# KiCad board main_PCB_v1.kicad_pcb (continued)
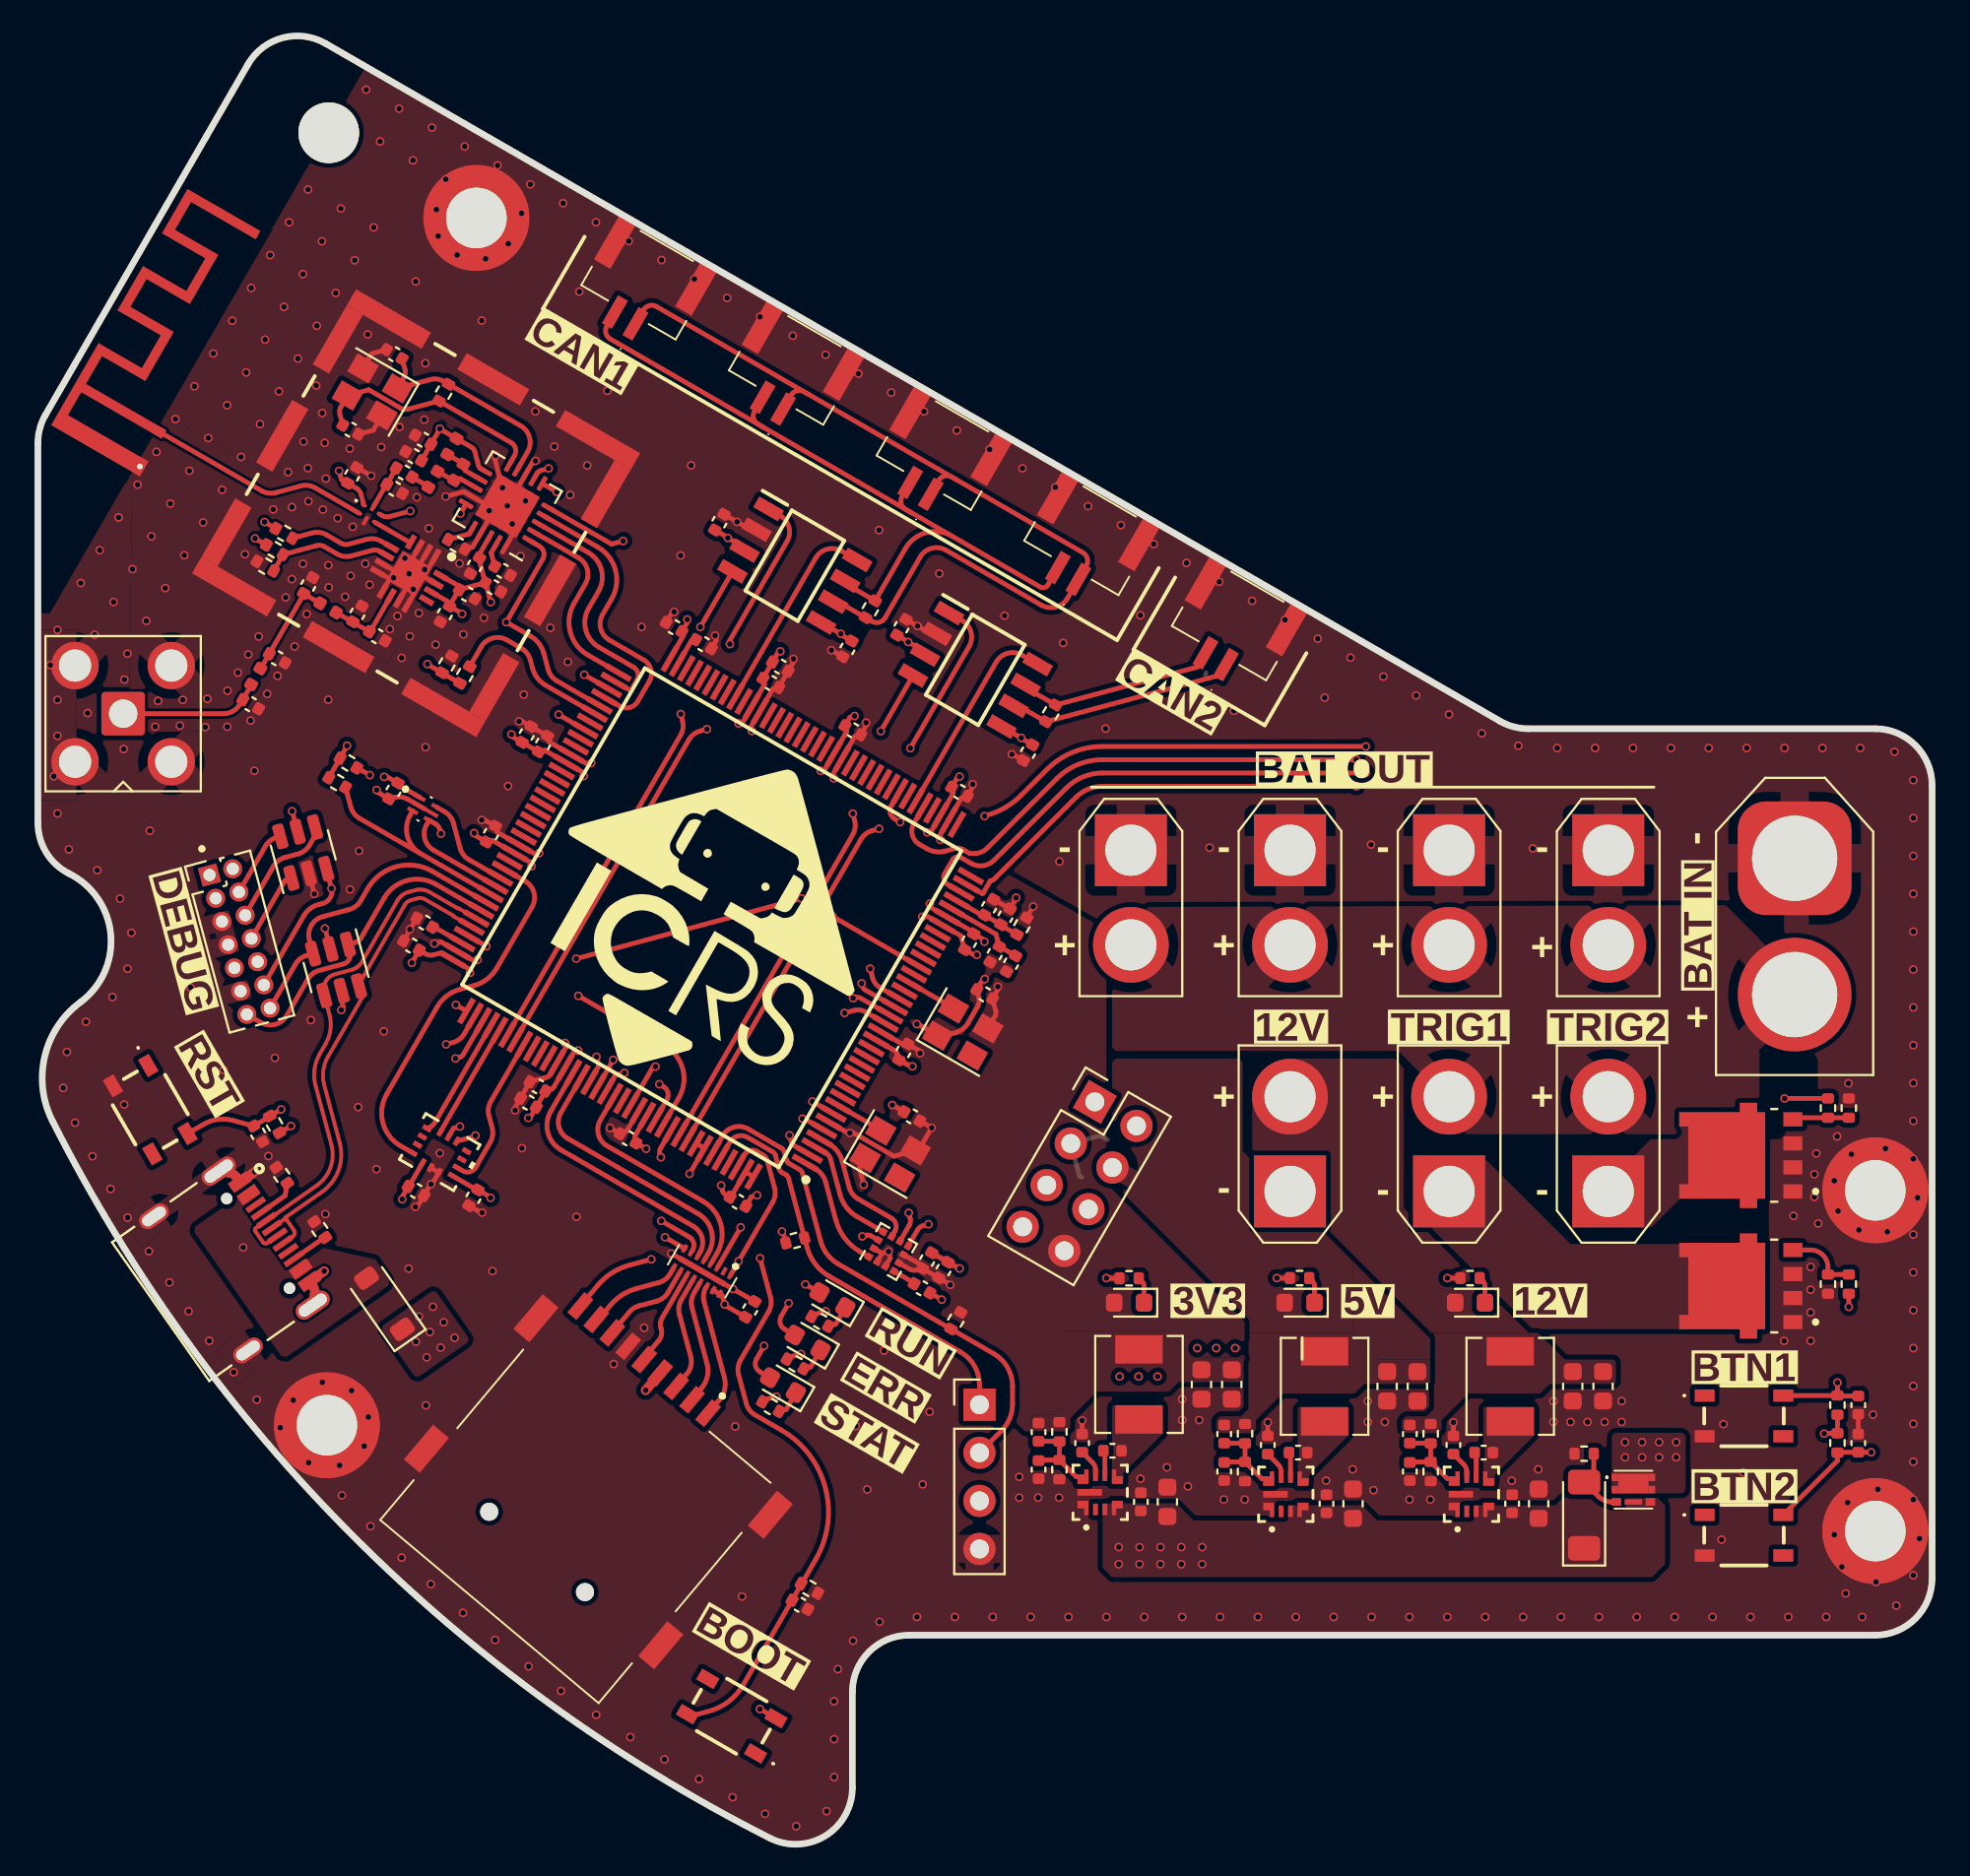
[diagram p0: board, top side]
## Routing (per net, layer and track width the routed paths; a pad name or vN(x,y) marks a point on that pad's centre or on a via; arc(x,y) is an arc through that point) (continued)
/Microcontroller/CMD: length 6.2
  Top w0.252: FL201.12 33.97,28.75 arc(33.84,28.38) 33.87,27.99 34.47,25.75 arc(34.48,25.28) 34.27,24.85 33.71,24.19 J201.3
/Microcontroller/DAT0: length 5.1
  Top w0.252: J201.7 30.32,27.04 31.22,28.11 arc(31.45,28.31) 31.73,28.44 32.67,28.69 arc(33.02,28.86) 33.27,29.15 FL201.10
/Microcontroller/DAT1: length 5.1
  Top w0.252: FL201.9 33.38,30.13 arc(33.12,29.84) 32.77,29.67 31.61,29.36 arc(30.85,29.02) 30.22,28.47 29.6,27.73 J201.8
/Microcontroller/DAT2: length 7.2
  Top w0.252: FL201.14 35.27,29.41 arc(35.14,29.04) 35.17,28.65 36.25,24.64 arc(36.26,24.03) 35.99,23.49 35.39,22.77 J201.1
/Microcontroller/DAT3: length 6.7
  Top w0.252: FL201.13 34.63,29.1 arc(34.51,28.73) 34.53,28.34 35.33,25.38 arc(35.34,24.71) 35.04,24.1 34.54,23.5 J201.2 34.54,23.49
/Microcontroller/EEPROM_WC: length 5.3
  Top w0.25: U211.5 21.47,54.54 arc(21.77,54.28) 21.94,53.93 22.29,52.62 arc(22.46,52.27) 22.76,52.01 U201.98
/Microcontroller/GPIO1: length 16.4
  Top w0.25: U201.21 44.45,45.25 arc(44.21,45.47) 44.07,45.76 v1(43.94,46.25)
  In2.Cu w0.25: v1(43.94,46.25) 43.94,46.25 arc(44.33,46.28) 44.7,46.15 55.63,39.84 J204.1
/Microcontroller/GPIO2: length 19.6
  Top w0.25: v1(43.49,45.47) 43.53,45.31 arc(43.58,45.21) 43.67,45.13 U201.20
  In2.Cu w0.25: J204.2 56.7,37.6 arc(56.32,37.57) 55.95,37.7 54.42,38.58 arc(54.13,38.84) 53.95,39.19 53.77,39.89 arc(53.59,40.24) 53.3,40.5 44.66,45.48 arc(44.29,45.61) 43.9,45.58 v1(43.49,45.47)
/Microcontroller/GPIO3: length 17.6
  Top w0.25: v1(42.59,43.91) 43.1,44.05 arc(43.4,44.07) 43.68,43.97 U201.18
  In2.Cu w0.25: 53.13,35.28 J204.5 53.22,34.97 44.19,40.18 arc(43.6,40.7) 43.26,41.4 v1(42.59,43.91)
/Microcontroller/GPIO4: length 19.8
  Top w0.25: U201.19 43.42,44.7 arc(43.3,44.74) 43.19,44.73 v1(43.04,44.69)
  In2.Cu w0.25: J204.6 55.22,34.44 arc(54.87,35.14) 54.29,35.65 44.56,41.27 arc(43.97,41.78) 43.63,42.48 v1(43.04,44.69)
/Microcontroller/I2C1_SCL: length 27.4
  Top w0.25: J207.2 50.87,21.84 arc(51.3,22.49) 51.45,23.25 51.45,24.18 arc(51.19,25.18) 50.45,25.91 42.25,30.65 arc(41.67,31.16) 41.32,31.86 40.36,35.45 arc(40.31,35.56) 40.22,35.63 39.66,35.96 arc(39.57,36.04) 39.52,36.14 39.4,36.58 arc(39.35,36.69) 39.26,36.77 37.5,37.78 arc(36.74,37.88) 36.14,37.41 U201.139
/Microcontroller/I2C1_SDA: length 22.2
  Top w0.25: U201.140 36.53,37.09 arc(36.94,37.41) 37.46,37.34 38.8,36.57 arc(38.89,36.49) 38.94,36.39 39.13,35.67 arc(39.18,35.57) 39.27,35.49 39.49,35.36 arc(39.57,35.29) 39.63,35.18 40.61,31.52 arc(41.04,30.65) 41.77,30 48.71,26 arc(49.44,25.27) 49.71,24.27 J207.1
/Microcontroller/I2C3_SCL: length 12.5
  Top w0.25: U211.3 19.66,54.37 arc(19.51,53.24) 20.21,52.32 ; R214.2 16.52,54.79 arc(16.69,54.44) 16.98,54.19 20.21,52.32 ; U201.100 20.21,52.32
/Microcontroller/I2C3_SDA: length 13
  Top w0.25: U201.99 20.89,52.51 arc(20.43,53.12) 20.53,53.87 U211.4 20.99,53.89 arc(21.14,53.77) 21.22,53.59 v1(21.28,53.38) ; v1(17.52,56.47) 16.85,56.86 R215.2
  In2.Cu w0.25: 17.52,56.48 17.32,56.11 arc(17.25,55.65) 17.54,55.28 20.87,53.36 arc(20.98,53.32) 21.09,53.33 21.28,53.38
/Microcontroller/IMU_INT1: length 19.6
  Top w0.25: U201.97 25.72,50.87 arc(26.19,50.27) 26.09,49.51 24.23,46.28 arc(23.71,45.7) 23.01,45.35 22.29,45.16 arc(21.59,44.81) 21.08,44.23 18.42,39.62 arc(18.22,38.1) 19.15,36.89 U204.4
/Microcontroller/IMU_INT2: length 8.4
  Top w0.25: U201.116 23.91,39.23 arc(23.78,38.87) 23.81,38.48 23.98,37.84 arc(24.01,37.45) 23.88,37.08 23.11,35.75 arc(22.81,35.52) 22.43,35.57 U204.9
/Microcontroller/LEDB: length 19.2
  Top w0.25: v1(32.89,36.29) 32.83,36.51 arc(32.82,36.62) 32.86,36.74 U201.134 ; D204.2 38.12,24.95 arc(37.89,25.25) 37.94,25.63 v1(38.34,26.33)
  In2.Cu w0.25: 38.34,26.33 37.81,28.29 arc(37.77,28.91) 37.97,29.49 38.74,30.82 arc(38.8,31.01) 38.79,31.2 38.31,32.99 arc(38.3,33.18) 38.36,33.37 38.76,34.05 arc(38.81,34.43) 38.58,34.74 35.3,36.63 arc(34.93,36.76) 34.54,36.73 32.89,36.29
/Microcontroller/LEDB_K: length 1.4
  Top w0.25: D204.1 39.5,22.96 R213.2
/Microcontroller/LEDG: length 19.1
  Top w0.25: v1(32.81,40.14) 33.02,40.02 arc(33.26,39.72) 33.21,39.34 U201.132 ; v1(40.51,29.57) D203.2
  In2.Cu w0.25: v1(40.51,29.57) 42.01,32.17 arc(42.08,32.36) 42.06,32.55 41.66,34.06 arc(41.57,34.23) 41.43,34.36 34.11,38.59 arc(33.96,38.71) 33.88,38.89 33.73,39.45 arc(33.64,39.62) 33.49,39.75 v1(32.81,40.15)
/Microcontroller/LEDG_K: length 1.4
  Top w0.25: D203.1 42.12,27.47 R212.2
/Microcontroller/LEDR: length 22.9
  Top w0.25: U201.129 32.46,41.04 v1(32.61,41.08) ; D202.2 39.42,27.2 arc(39.19,27.51) 39.24,27.89 v1(39.64,28.58)
  In2.Cu w0.25: v1(39.64,28.58) 39.57,28.84 arc(39.56,29.04) 39.62,29.22 41.24,32.04 arc(41.31,32.22) 41.29,32.42 40.93,33.79 arc(40.84,33.96) 40.69,34.09 32.47,38.84 arc(32,39.45) 32.1,40.21 v1(32.61,41.08)
/Microcontroller/LEDR_K: length 1.4
  Top w0.25: D202.1 40.8,25.21 R211.2
/Microcontroller/MAG_C1: length 1.3
  Top w0.25: C231.1 46.25,29.66 U206.4
/Microcontroller/MAG_DRDY: length 11.2
  Top w0.25: U206.8 46,32.69 arc(46.06,32.88) 46.05,33.07 v1(45.97,33.35) ; v1(39.68,37.45) 39.81,36.97 U201.2
  In2.Cu w0.25: 39.68,37.45 42.22,35.98 arc(42.62,35.63) 42.86,35.16 42.96,34.77 arc(43.04,34.6) 43.19,34.47 45.21,33.3 arc(45.4,33.24) 45.59,33.25 45.97,33.35
/Microcontroller/MAG_INT: length 12.4
  Top w0.25: v1(47.01,32.75) 46.73,32.68 arc(46.56,32.59) 46.43,32.44 U206.7 ; v1(40.88,39.23) U201.7
  In2.Cu w0.25: 47.01,32.75 46.82,33.46 arc(46.54,34.04) 46.06,34.46 42.18,36.7 arc(41.58,37.22) 41.23,37.93 40.88,39.24
/Microcontroller/NRF24_CE: length 33
  Top w0.25: R404.1 v1(11.46,68.98) ; U201.77 27.4,61.45 arc(27.11,61.71) 26.93,62.06 26.71,62.9 arc(26.45,63.43) 26.01,63.81 v1(24.73,64.55) 26.65,67.89 arc(26.7,68.27) 26.47,68.57 U401.1
  In2.Cu w0.25: v1(11.46,68.98) 12.34,65.7 arc(12.87,64.63) 13.77,63.84 19.95,60.27 arc(21.46,60.07) 22.68,61 24.73,64.55
/Microcontroller/NRF24_IRQ: length 15.1
  Top w0.25: v1(27.39,71.43) U401.6 ; v1(27.49,59.67) 27.49,59.67 U201.80
  In2.Cu w0.25: v1(27.39,71.43) 28.31,67.99 26.23,64.39 v1(27.49,59.67)
/Microcontroller/NRF24_MODE: length 9.1
  Top w0.25: R406.1 23.4,63.24 arc(24,63.71) 24.76,63.61 25.53,63.17 arc(25.82,62.91) 25.99,62.56 26.11,62.13 arc(26.37,61.6) 26.81,61.22 U201.78
/Microcontroller/NRST: length 56.4
  Top w0.25: 7.79,37.73 S203.2 ; S203.2 8.76,38.04 arc(9.5,38.29) 10.28,38.24 C203.1 12.23,38.43 R205.1 v1(12.84,38.82) ; S203.2 7.95,37.71 ; U202.3 v1(15.5,50.49) arc(15.43,50) 15.04,49.7 14.81,49.63 arc(14.36,49.41) 14.04,49.04 J205.12 ; v1(40.31,49.96) v1(28.42,46.78) ; v1(41.95,49.01) 41.95,49.01 U201.25
  In2.Cu w0.25: J205.12 12.46,45.39 arc(13.17,45.1) 13.46,44.39 13.46,39.85 arc(13.38,39.47) 13.17,39.14 v1(12.84,38.82) ; v1(15.5,50.49) 15.7,49.73 arc(16.59,47.94) 18.09,46.62 19.65,45.72 arc(21.23,45.18) 22.88,45.29 v1(28.42,46.78) ; v1(41.95,49.01) v1(40.31,49.96)
/Microcontroller/OSC: length 2.7
  Top w0.25: U201.23 48.33,44.17 X201.4
/Microcontroller/OSC_32: length 2.6
  Top w0.25: U201.8 44.49,37.73 X202.4
/Microcontroller/SDMMC2_CD: length 18.5
  Top w0.25: v1(32.38,30.9) 31.22,30.59 arc(30.31,30.18) 29.56,29.52 J201.9 ; U201.142 37.3,36.42 arc(37.59,36.64) 37.95,36.6 38.3,36.4 arc(38.42,36.29) 38.5,36.14 38.89,34.67 arc(38.92,34.28) 38.79,33.91 FL201.1
  In2.Cu w0.25: v1(36.99,30.79) 34.76,30.2 arc(33.99,30.15) 33.25,30.4 v1(32.38,30.9)
/Microcontroller/SDMMC2_CLK: length 14.6
  Top w0.252: FL201.6 34.96,31.28 arc(35.06,32.04) 34.6,32.64 27.62,36.67 arc(26.93,37.58) 27.08,38.72 U201.122
/Microcontroller/SDMMC2_CMD: length 14.5
  Top w0.252: U201.123 27.61,38.64 arc(27.51,37.88) 27.97,37.28 34.86,33.3 arc(35.56,32.39) 35.41,31.25 FL201.5
/Microcontroller/SDMMC2_D0: length 16.1
  Top w0.252: FL201.7 34.57,31.39 arc(34.62,31.77) 34.38,32.07 v1(32.91,32.92) ; v1(29.49,41.6) 29.62,41.12 U201.124
  In2.Cu w0.252: 29.49,41.6 27.89,38.84 arc(27.63,36.86) 28.85,35.27 32.91,32.93
/Microcontroller/SDMMC2_D1: length 15.5
  Top w0.252: v1(33.11,32.06) FL201.8 ; v1(30.37,41.43) U201.125
  In2.Cu w0.252: 30.38,41.43 28.64,38.43 arc(28.47,37.12) 29.27,36.07 33.01,33.91 arc(33.48,33.3) 33.38,32.54 33.11,32.06
/Microcontroller/SDMMC2_D2: length 16.9
  Top w0.252: U201.126 30.48,40.62 v1(30.96,40.75) ; FL201.3 v1(37.1,32.58)
  In2.Cu w0.252: 30.96,40.75 29.46,38.15 arc(29.36,37.39) 29.83,36.79 37.1,32.59
/Microcontroller/SDMMC2_D3: length 12.7
  Top w0.252: FL201.4 35.86,31.22 arc(36.06,32.74) 35.12,33.96 30.06,36.88 arc(29.59,37.49) 29.69,38.25 U201.127
/Microcontroller/SPI2.CS: length 10.5
  Top w0.25: U401.2 28.54,67.95 arc(29.01,67.35) 28.91,66.59 28.31,65.55 arc(28.11,64.03) 29.04,62.82 U201.73
/Microcontroller/SPI2.MISO: length 13.8
  Top w0.25: U401.5 29.18,69.31 30.29,68.68 v1(30.9,68.84) ; v1(28.84,61.78) U201.75
  In2.Cu w0.25: 28.84,61.78 28.42,63.37 arc(28.36,64.15) 28.61,64.88 30.9,68.84
/Microcontroller/SPI2.MOSI: length 15.6
  Top w0.25: U401.4 29.56,68.52 arc(30.49,67.31) 30.29,65.79 29.82,64.96 arc(29.72,64.21) 30.18,63.6 32.01,62.54 arc(32.21,62.36) 32.34,62.12 32.37,62 arc(32.39,61.72) 32.3,61.46 31.66,60.37 arc(31.24,60.04) 30.72,60.11 U201.76
/Microcontroller/SPI2.SCK: length 13.3
  Top w0.25: U201.74 31.26,60.96 31.32,60.98 31.62,61.5 arc(31.67,61.88) 31.44,62.18 29.62,63.23 arc(28.92,64.14) 29.07,65.28 29.6,66.19 arc(29.75,67.33) 29.05,68.24 U401.3
/Microcontroller/SPI3_CS: length 9.2
  Top w0.25: v1(21.55,42.25) 21.9,42.35 arc(22.25,42.52) 22.51,42.81 U201.110 ; U204.12 23.08,37.39 v1(23.1,37.43)
  In2.Cu w0.25: 23.1,37.44 23.36,37.89 arc(23.61,38.63) 23.56,39.4 23.07,41.23 arc(22.92,41.53) 22.67,41.75 21.72,42.3 21.55,42.26
/Microcontroller/SPI3_MISO: length 6.5
  Top w0.25: U201.112 20.97,38.14 arc(20.79,37.94) U204.1
/Microcontroller/SPI3_MOSI: length 6.2
  Top w0.25: 21.28,37.68 U201.113
/Microcontroller/SPI3_SCK: length 7.2
  Top w0.25: U204.13 21.94,37.82 v1(22.28,37.91) ; U201.111 22.45,41.71 arc(22.37,41.62) 22.27,41.57 v1(22.05,41.51)
  In2.Cu w0.25: 22.28,37.91 22.57,38.42 arc(22.7,38.79) 22.67,39.18 22.05,41.51
/Microcontroller/SPI4_CS: length 6.2
  Top w0.25: U201.3 41.61,36.51 arc(41.76,36.38) 41.84,36.2 42.34,34.33 arc(42.68,33.65) 43.25,33.15 44.65,32.34
/Microcontroller/SPI4_MISO: length 7.2
  Top w0.25: U206.9 45.24,32.39 arc(45.29,32.77) 45.06,33.07 43.3,34.09 arc(43,34.34) 42.83,34.69 42.45,36.1 arc(42.2,36.61) 41.78,36.99 U201.4
/Microcontroller/SPI4_MOSI: length 12.2
  Top w0.25: U201.5 40.43,38.34 v1(40.37,38.33) ; v1(43.52,32.11) 43.75,32.17 arc(43.86,32.18) 43.97,32.14 44.39,31.9
  In2.Cu w0.25: v1(43.52,32.11) 42.9,32.47 arc(42.75,32.6) 42.66,32.78 42.14,34.71 arc(42.06,34.88) 41.91,35.01 38.97,36.71 arc(38.74,37.01) 38.79,37.39 39.34,38.34 arc(39.64,38.58) 40.02,38.53 v1(40.37,38.33)
/Microcontroller/SPI4_SCK: length 6.3
  Top w0.25: U201.1 41.06,35.67 arc(41.39,35.38) 41.58,34.98 42.12,32.98 arc(42.6,32.01) 43.42,31.29 43.89,31.02
/Microcontroller/SWCLK: length 19.5
  Top w0.25: v1(22.06,44.34) U201.109 ; U202.4 14.71,53.42 14.34,52.78 arc(14.08,52.48) 13.73,52.31 13.04,52.13 arc(12.69,51.95) 12.44,51.66 J205.6
  In2.Cu w0.25: 22.06,44.37 22.07,44.34 21.42,44.17 arc(21.03,44.14) 20.67,44.27 12.62,48.91 arc(11.88,49.17) 11.1,49.11 10.94,49.07
/Microcontroller/SWDIO: length 19.3
  Top w0.25: U202.6 12.62,53.19 arc(12.27,53.02) 12.01,52.72 J205.4 ; v1(23.68,47.43) U201.105
  In2.Cu w0.25: 23.68,47.44 17.23,51.16 arc(16.12,51.54) 14.95,51.46 10.61,50.3
/Microcontroller/SWO: length 32.8
  Top w0.25: 13.42,51.02 U202.1 13.19,50.99 arc(13.08,50.93) 13,50.85 J205.8 ; U201.133 33.84,39.44 arc(34.04,40.96) 33.11,42.17 v1(28.53,44.82)
  In2.Cu w0.25: 11.27,47.85 12.24,48.1 arc(12.63,48.13) 13,48 20.32,43.78 arc(21.06,43.52) 21.84,43.58 27.15,45 arc(27.86,45.04) v1(28.53,44.82)
/Microcontroller/TRIG1: length 77.7
  Top w0.25: R312.2 v1(95.6,28.39) ; U201.41 46.25,53.92 arc(46.16,53.31) 46.54,52.81 46.94,52.58 arc(47.4,52.43) 47.89,52.46 48.44,52.6 arc(48.63,52.62) 48.82,52.55 49.21,52.33 49.41,52.33 arc(49.8,52.41) 50.12,52.62 53.79,56.29 arc(54.89,57.03) 56.19,57.29 v1(69.6,57.29)
  In2.Cu w0.25: 95.6,28.39 94.26,29.73 arc(93.85,30.35) 93.7,31.07 93.7,33.79 93.58,33.91 93.58,36.27 93.7,36.39 93.7,39.11 arc(93.2,40.31) 92,40.81 90.41,40.81 arc(88.5,41.6) 87.71,43.51 87.71,52.61 arc(86.71,55.01) 84.31,56.01 76.33,56.01 arc(75.57,56.16) 74.93,56.58 arc(74.15,57.1) 73.23,57.29 69.6,57.29
/Microcontroller/TRIG2: length 61.1
  Top w0.25: v1(92.21,39.4) R313.2 ; U201.35 49.85,50.22 49.9,50.23 50.28,50.89 50.43,50.93 54.8,55.3 arc(55.45,55.73) 56.21,55.89 v1(69.6,55.89)
  In2.Cu w0.25: 92.21,39.4 92.2,39.41 90.41,39.41 arc(87.51,40.61) 86.31,43.51 86.31,52.81 arc(85.72,54.22) 84.31,54.81 75.92,54.81 arc(74.89,55.01) 74.02,55.59 arc(73.7,55.81) 73.31,55.89 69.6,55.89
/Microcontroller/USART1_RX: length 17.1
  Top w0.25: U201.102 21.01,50.71 arc(19.49,50.91) 18.28,49.98 17.06,47.87 arc(16.93,47.72) 16.76,47.64 U203.1 16.48,47.11 arc(16.43,46.73) 16.12,46.5 14.85,46.16 arc(14.5,45.98) 14.25,45.69 13.14,43.77 arc(12.53,43.31) 11.77,43.41 11.03,43.83
/Microcontroller/USART1_TX: length 16.3
  Top w0.25: U201.101 20.83,51.39 arc(18.93,51.64) 17.41,50.48 17.04,49.84 arc(16.78,49.55) 16.43,49.37 15.04,49 arc(14.43,48.53) 14.33,47.77 U203.3 14.21,46.95 arc(13.86,46.78) 13.6,46.49 J205.14
/Microcontroller/USB_DN: length 28
  Top w0.2: J203.A7 12.05,31.73 11.92,31.76 11.46,32.41 11.48,32.52 14.71,34.79 arc(15.44,35.74) 15.5,36.94 14.66,40.07 arc(14.6,40.93) 14.88,41.74 15.19,42.29 arc(15.45,43.03) 15.39,43.81 15.01,45.25 15.22,45.61 arc(15.4,45.82) 15.65,45.94 16.62,46.2 16.79,46.29 16.95,46.41 17.08,46.56 17.13,46.64 18.98,49.84 19.03,49.92 19.16,50.07 19.31,50.19 19.49,50.28 19.58,50.3 19.92,50.39 20.01,50.42 20.21,50.43 20.4,50.4 20.59,50.34 20.68,50.29 22.16,49.44 22.19,49.45 U201.103
/Microcontroller/USB_DP: length 26
  Top w0.2: U201.104 21.94,49.01 21.93,49.05 20.43,49.91 arc(20.25,49.98) 20.05,49.96 19.68,49.86 arc(19.5,49.78) 19.38,49.63 16.93,45.4 17.12,44.72 15.32,41.61 arc(15.07,40.87) 15.12,40.09 15.94,37.04 arc(15.87,35.6) 14.99,34.46 13.07,33.11 13.06,33.08 ; J203.A6 13.06,33.04 13.06,33.08 ; 13.06,33.08 13.52,32.43 arc(13.56,32.26) 13.46,32.1 J203.B6
/Microcontroller/VCAP1: length 1.6
  Top w0.25: C237.1 34.49,63.57 U201.71
/Microcontroller/VCAP2: length 1.8
  Top w0.25: C238.1 20.9,48.46 U201.106
/Microcontroller/VREF+: length 4.4
  Top w0.25: U201.32 50.58,48.07 C235.1 C236.1
/Power/BOOT_3V3: length 1.3
  Top w0.25: C318.2 56.33,20.71 U302.6
/Power/BOOT_5V: length 1.3
  Top w0.25: C312.2 66.13,20.61 U301.6
/Power/BOOT_12V: length 1.3
  Top w0.25: U303.6 75.93,20.61 C304.2
/Power/FV_3V3: length 4.9
  Top w0.25: U302.8 54.81,19.41 R311.1 ; R311.1 R310.2 53.92,21.29 C308.2 ; R311.1 52.86,20.3
/Power/FV_5V: length 5
  Top w0.25: R309.1 62.66,20.2 C324.1 ; R309.1 64.61,19.31 U301.8 ; R309.1 R308.2 63.72,21.19 C309.2
/Power/FV_12V: length 5
  Top w0.25: C310.1 72.46,20.2 R302.1 ; U303.8 74.41,19.31 R302.1 ; R302.1 R301.2 73.52,21.19 C307.2
/Power/LED3V3: length 1.4
  Top w0.25: D304.1 58.4,29.49 arc(58.37,29.61) 58.31,29.7 R305.2
/Power/LED5V: length 1.4
  Top w0.25: D302.1 67.4,29.5 arc(67.37,29.62) 67.31,29.71 R304.2
/Power/LED12V: length 1.4
  Top w0.25: R303.2 76.31,29.71 arc(76.37,29.62) 76.4,29.5 D301.1
/Power/RP_PMOS_G: length 3.8
  Top w0.25: Q302.3 83.09,18.08 arc(82.71,18.16) 82.39,18.37 D303.2 82.14,19.64 R307.1
/Power/TRIG1_G: length 3.9
  Top w0.25: R312.1 R315.1 94.5,30.47 arc(94.23,31.12) 93.58,31.39 T302.4
/Power/TRIG2_G: length 3
  Top w0.25: T301.4 92.73,38.38 R313.1 R314.1
/Wireless/ANT1: length 2.3
  Top w0.252: U401.12 22.55,72.56 L403.2 22.46,72.93 L404.1
/Wireless/ANT2: length 2.3
  Top w0.252: L401.2 21.94,72.03 L403.1 22.3,72.13 U401.13
/Wireless/ANT2_50: length 1
  Top w0.252: L401.1 20.6,71.73 C402.2
/Wireless/ANT_F1: length 4.3
  Top w0.252: L402.2 16.6,64.57 C414.2 16.64,64.55 C413.2 17.54,64.06 U402.10
/Wireless/ANT_F2: length 5.6
  Top w0.252: L402.1 14.04,66.05 C415.2 14.04,66.04 C416.2 11.77,62.11 L405.2
/Wireless/ANT_PCB: length 11.8
  Top w0.252: S401.2 14.64,71.65 arc(14.27,71.77) 13.88,71.75 12.56,71.4 arc(12.17,71.37) 11.8,71.5 AE401.1
/Wireless/ANT_SMA: length 7.6
  Top w0.252: C417.2 10.8,60.46 10.66,60.22 arc(10.3,59.85) 9.8,59.72 J401.1 ; C417.2 11.27,61.24 L405.1 ; C417.2 10.79,60.45
/Wireless/IREF: length 1.5
  Top w0.25: R401.1 22.77,69.22 U401.16
/Wireless/RF2: length 2.2
  Top w0.252: S401.4 19.63,68.77 U402.4
/Wireless/RFC: length 2.4
  Top w0.252: S401.6 18.39,71.83 C403.2 C402.1 18.89,72.69
/Wireless/RXEN: length 6.8
  Top w0.25: U402.6 18.04,68.3 arc(17.85,68.36) 17.66,68.35 16.55,68.05 arc(16.16,68.03) 15.79,68.15 15.11,68.55 arc(14.92,68.61) 14.73,68.6 R404.2 R405.1
/Wireless/TXEN: length 5.6
  Top w0.25: R403.2 14.48,69.27 arc(14.87,69.29) 15.24,69.17 16.01,68.72 arc(16.2,68.66) 16.39,68.67 17.36,68.93 arc(17.75,68.96) 18.12,68.83 U402.5
/Wireless/VCTL: length 14.4
  Top w0.25: v1(20.56,62.34) 20.57,62.33 R407.1 21.34,61.87 R406.2 ; S401.5 18.18,70.18 arc(18.37,70.12) 18.56,70.13 v1(19.66,70.42)
  In2.Cu w0.25: 19.66,70.43 19.21,70.31 arc(19.04,70.22) 18.91,70.07 18.72,69.75 arc(18.67,69.37) 18.91,69.07 21.33,67.67 arc(21.8,67.06) 21.7,66.3 20.61,64.42 arc(20.36,63.69) 20.41,62.91 20.56,62.34
/Wireless/XC1: length 12.6
  Top w0.25: U401.10 25.16,73.36 arc(25.21,73.73) 24.98,74.04 R402.1 19.55,75.81 arc(19.34,75.79) 19.15,75.86 17.47,76.83 Y402.3 15.99,75.92 arc(15.93,75.74) 15.94,75.54 C410.1
/Wireless/XC2: length 11.6
  Top w0.25: U401.9 25.86,73.56 arc(25.96,74.31) 25.49,74.92 R402.2 21.4,77.28 arc(21.07,77.39) 20.73,77.37 Y402.1 19.33,77.51 arc(19.4,77.69) 19.38,77.89 C411.1
VSYS:
  vias: v1(19.95,26.54) v1(20.11,27.87) v1(20.52,25.72) v1(20.69,27.05) v1(20.85,28.39) v1(21.26,26.24) v1(21.43,27.57) v1(22,26.75) v1(57.06,15.69) v1(57.06,14.79) v1(58.16,15.69) v1(58.16,14.79) v1(59.26,15.69) v1(59.26,14.79) v1(60.36,15.69) v1(60.36,14.79) v1(61.46,15.69) v1(61.46,14.79)

## Copper pours and planes (outline as drawn; the poured copper is in the pictures)
+3.3V on Top: 52.61,22.7 53.71,22.7 54.11,23.1 54.11,27.1 59.61,27.1 61.01,25.7 63.61,25.7 63.71,25.6 63.71,24.5 63.61,24.4 60.21,24.4 59.71,23.9 55.91,23.9 54.51,22.5 54.51,22 54.31,21.8 52.61,21.8 52.41,22 52.41,22.5
+3.3V on Top: 63.71,25.6 63.71,27.6 56.41,34.9 56.41,48.3 50.41,51.7 40.11,33.8 41.01,30.5 51.51,24.4 51.51,22.4 52.11,21.8 52.61,21.8 52.41,22 52.41,22.5 52.61,22.7 53.71,22.7 54.11,23.1 54.11,27.1 59.61,27.1 61.01,25.7 63.61,25.7
+3.3V on In2.Cu: 0.01,97.93 100.01,97.93 100.01,-2.07 0.01,-2.07
+5V on Top: 69.41,27 69.41,30.8 63.61,36.6 63.61,41.3 63.41,41.5 56.91,41.5 56.71,41.3 56.71,34.9 63.91,27.7 63.91,27
+5V on Top: 69.41,30.8 73.51,26.7 73.51,25.5 73.41,25.6 70.81,25.6 69.41,27
+5V on Top: 62.41,22.6 63.51,22.6 63.91,23 63.91,27 69.41,27 70.81,25.6 73.41,25.6 73.51,25.5 73.51,24.4 73.41,24.3 70.01,24.3 69.51,23.8 65.71,23.8 64.31,22.4 64.31,21.9 64.11,21.7 62.41,21.7 62.21,21.9 62.21,22.4
+12V on Top: 64.11,39.4 64.11,36.4 73.71,26.8 73.71,27 78.71,27 72.11,33.6 72.11,41 71.61,41.5 66.11,41.5
+12V on Top: 72.21,22.6 73.31,22.6 73.71,23 73.71,27 79.21,27 80.61,25.6 83.21,25.6 83.31,25.5 83.31,24.4 83.21,24.3 79.81,24.3 79.31,23.8 75.51,23.8 74.11,22.4 74.11,21.9 73.91,21.7 72.21,21.7 72.01,21.9 72.01,22.4
GND on Top: 6.49,75.65 12.12,72.4 14.6,72.7 17.2,71.2 19.95,75.96 24.71,73.21 18.46,62.39 14.13,64.89 10.63,58.82 4.8,58.73 4.99,73.05
GND on Top, Bottom: 6.41,32.24 5.16,33.88 4.32,33.21 5.6,31.44
GND on Top, Bottom: 2.03,64.15 2.03,55.15 -0.17,55.15 -0.17,64.15
GND on Top, Bottom: 11.41,25.07 10.17,26.71 9.32,26.05 10.6,24.27
GND on Top, Bottom, In1.Cu: 0.01,97.93 100.01,97.93 100.01,-2.07 0.01,-2.07
VBAT on Top: 83.09,18.54 83.09,21.74 86.99,21.74 86.99,18.54
VBAT on Top, In1.Cu: 89.11,49.6 93.71,45 93.71,38.8 92.41,37.5 74.51,37.5 72.51,39.4 73.01,40.7 71.81,41.9 56.91,41.9 56.71,42.1 56.71,49.5
VBAT on In2.Cu: 87.79,19.04 87.79,51.04 70.79,51.04 70.79,19.04
VBUS on Top: 11.42,34.8 14.17,30.87 15.07,31.5 17.81,30.9 18.56,29.83 18.49,29.5 13.12,25.74 12.84,25.79 8.25,32.34 8.3,32.62
/Power/SW_3V3 on Top: 56.71,23.2 56.71,19.1 57.31,19.1 57.31,19.6 59.41,21.7 59.41,23.2
/Power/SW_5V on Top: 66.51,23.1 66.51,19 67.11,19 67.11,19.5 69.21,21.6 69.21,23.1
/Power/SW_12V on Top: 76.31,23.1 76.31,19 76.91,19 76.91,19.5 79.01,21.6 79.01,23.1
/Power/TRIG1_D on Top: 87.51,31.7 80.91,31.7 76.31,36.3 76.31,32.7 73.41,32.7 78.91,27.2 87.51,27.2
/Power/TRIG2_D on Top: 85.21,32.6 86.71,34.1 88.11,34.1 88.11,38.6 86.51,38.6 84.21,36.3 84.21,32.6
VSYS on Top: 80.51,18.3 80.11,17.9 75.81,17.9 75.81,17.1 70.71,17.1 69.91,17.9 66.01,17.9 66.01,17.1 61.01,17.1 60.11,18 56.21,18 56.21,14.6 56.71,14.1 85.21,14.1 85.91,14.8 85.91,17.9 85.51,18.3
VSYS on Top: 18.07,27.3 19.97,24.6 22.83,26.6 20.94,29.31
VSYS on In2.Cu: 20.63,29.74 44.02,16.24 62.01,16.31 61.99,10.99 45.34,10.86 18.63,26.28

## Text on the board
B.Silkscreen: Antenna switch / 0: SMA / 1: PCB | Designed by / Ben Smith 2024 | Max current on 3V3, 5V & 12V rails: 2A | https://github.com/ICRS/SSL-2024 | Battery voltage: 12-30V | _{IMPERIAL SSL} / Main Board v1.0
F.Silkscreen: DEBUG | STAT | ERR | RUN | 3V3 | 5V | 12V | BTN2 | BTN1 | RST | CAN1 | BOOT | CAN2 | - | + | BAT OUT | TRIG1 | TRIG2 | BAT IN
